# Allegro board LAY-28163.brd (continued)
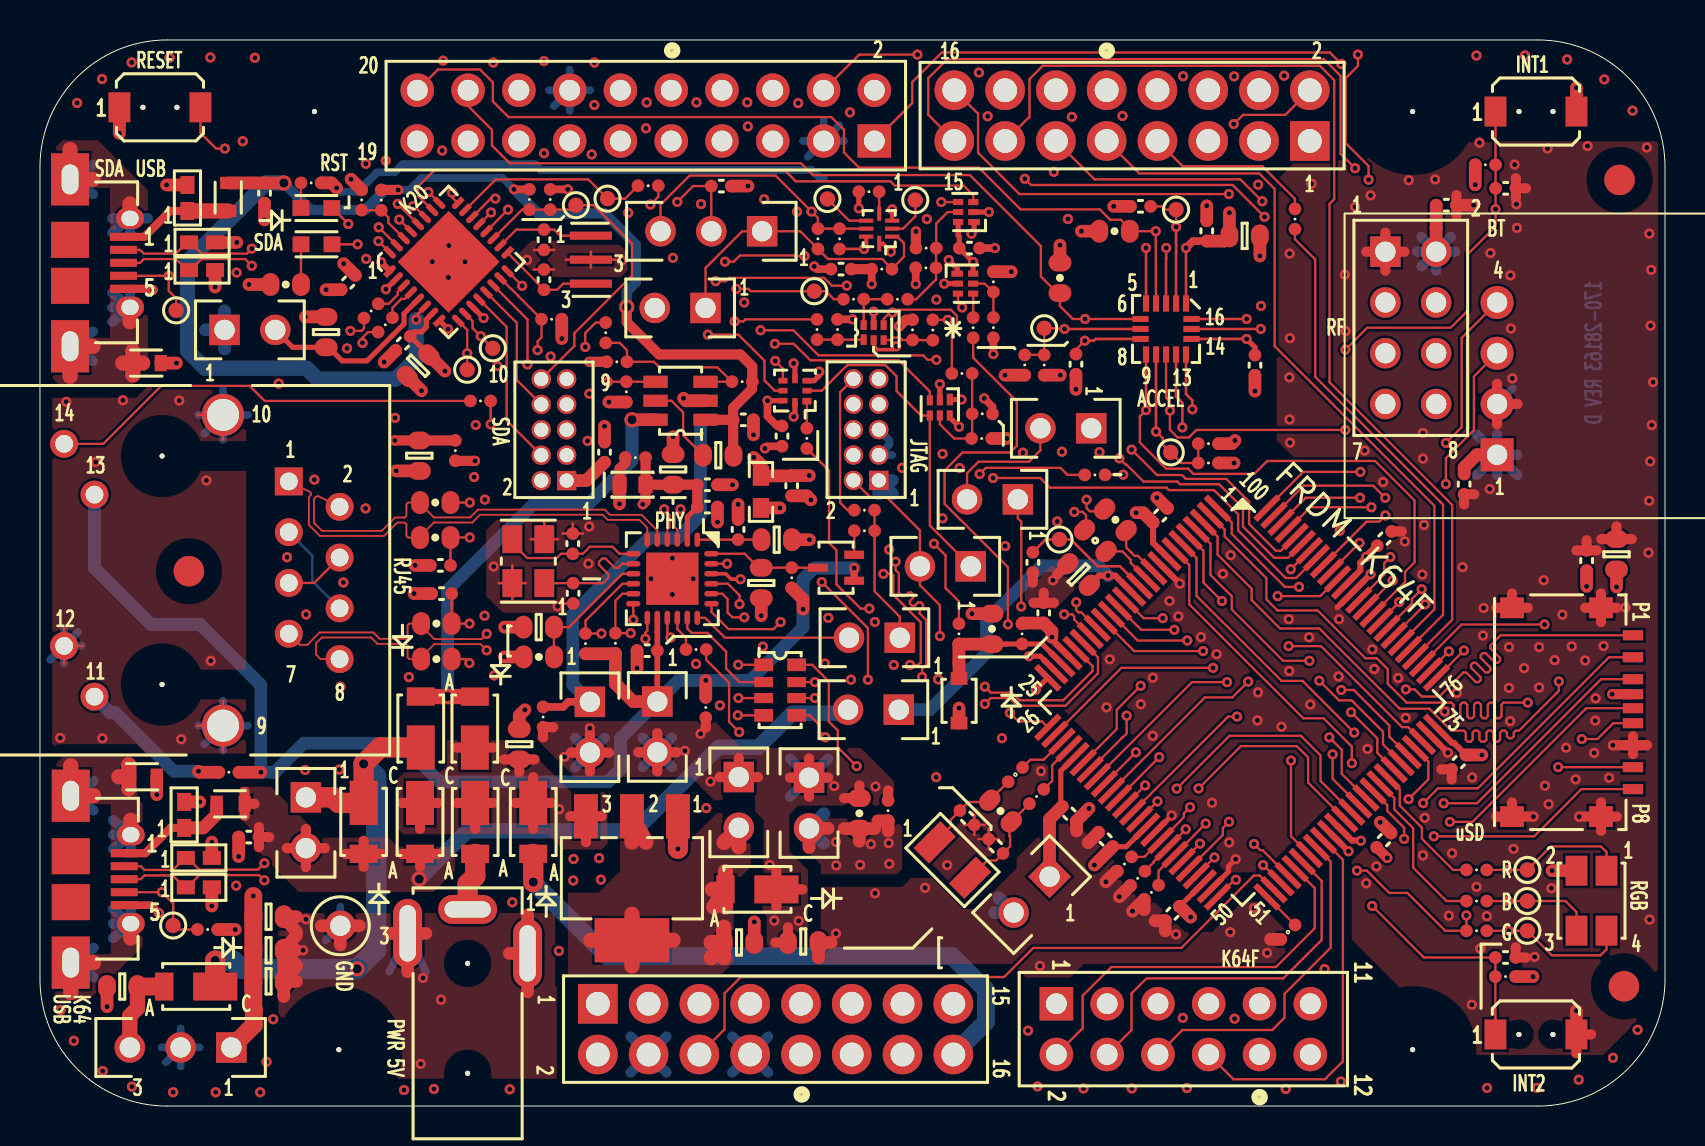
[diagram p0: board, top side]
## Copper pours and planes (outline as drawn; the poured copper is in the pictures) (continued)
GND on TOP: 69.68,2.55 69.68,4.25 65.61,8.32 65.61,12.27 69.68,16.33 69.68,20.94 68.77,21.85 68.77,23.74 69.68,24.65 69.68,25.49 61.85,33.32 61.85,46.31 63.76,48.21 72.84,48.21 72.89,48.26 72.89,48.28 80.89,48.28 80.91,48.17 80.93,48.05 80.93,28.35 80.92,28.33 80.92,5.28 78.19,2.55 ; 5 cut-outs
GND on TOP: 24.02,42.72 24.02,42.73 24.59,43.3 25.75,43.3 25.96,43.09 28.99,43.09 29.4,42.68 29.4,41.82 29.06,41.48 24.9,41.48 23.97,42.41 23.97,42.67
GND on TOP: 59.33,11.69 51.23,19.79 51.23,20.8 51.25,20.8 59.44,28.99 60.98,28.99 69.23,20.74 69.23,19.8 61.12,11.69 ; 3 cut-outs
GND on TOP: 39.43,11.41 44.63,11.41 46.21,9.84 46.23,9.86 46.8,9.86 48.85,11.91 48.85,12.42 50.56,14.13 51.84,14.13 56.6,9.37 56.6,9.37 57.22,8.75 57.22,8.72 58.63,8.72 60.13,10.22 60.89,10.22 62.3,8.82 62.3,7.61 61.83,7.14 54.84,7.14 54.81,7.11 52.22,7.11 51.53,6.42 49.34,6.42 48.66,7.11 38.91,7.11 38.67,7.35 38.67,10.66
GND on BOTTOM: 0.38,46.99 2.13,51.21 6.35,52.96 74.93,52.96 79.15,51.21 80.9,46.99 80.9,6.35 79.15,2.13 74.93,0.38 6.35,0.38 2.13,2.13 0.38,6.35 ; 4 cut-outs
GND on GND: 0.38,46.99 2.13,51.21 6.35,52.96 74.93,52.96 79.15,51.21 80.9,46.99 80.9,6.35 79.15,2.13 74.93,0.38 6.35,0.38 2.13,2.13 0.38,6.35
GND on INT_1: 4.44,0.56 4.13,0.67 3.83,0.8 0.8,3.83 0.76,3.91 0.76,49.03 4.34,52.61 7.28,52.61 7.28,36.68 9.1,34.86 9.1,14.8 7.83,13.53 7.83,9.3 11.29,5.84 15.09,5.84 17.53,3.4 17.53,1.55 16.54,0.56
GND on INT_1: 71.24,0.58 70.9,0.92 70.9,0.59 39.51,0.59 33.18,6.92 20.45,6.92 19.09,8.29 19.09,12.63 19.8,13.34 20.09,13.34 25.8,19.05 28.08,19.05 40.26,6.88 40.82,7.45 57.61,7.45 60.32,10.16 60.32,11.45 51.6,20.17 51.6,21.44 59.46,29.29 60.7,29.29 66.88,23.11 67.01,23.23 68.86,23.23 75.81,30.18 75.81,43.24 71.95,47.1 71.95,52.51 77.38,52.51 80.55,49.35 80.68,49.01 80.79,48.66 80.79,4.68 80.65,4.24 80.47,3.8 77.48,0.81 77.18,0.69 76.89,0.58 ; 10 cut-outs
GND on INT_1: 11.86,37.62 20.54,37.62 21.93,36.23 21.93,30.55 23.02,29.46 27.98,29.46 28.36,29.07 28.36,27.42 25.77,24.83 22.82,24.83 22.74,24.9 21.79,24.9 21.01,24.13 21.01,19.98 21.03,19.96 21.03,19.73 16.91,15.61 12.46,15.61 11.55,16.53 11.55,37.31
P3V3 on TOP: 36.54,7.89 36.34,8.08 36.34,9.47 36.13,9.69 36.13,14.37 35.77,14.73 35.77,15.15 33.87,15.15 32.56,16.46 26.73,16.46 24.85,18.35 24.85,19.12 24.99,19.26 33.73,19.26 35.09,17.9 39.71,17.9 39.73,17.93 41.03,17.93 42.73,16.23 42.73,15.47 42.29,15.03 37.92,15.03 37.49,14.59 37.49,12.74 38.41,11.81 38.41,8.67 37.63,7.89
P3V3 on BOTTOM: 25.81,1.39 17.26,9.95 17.26,16.96 20.71,20.41 20.71,25.56 25.58,30.43 35.63,30.43 35.7,30.5 37.12,30.5 38.44,29.18 38.44,26.04 37.53,25.14 37.53,23.17 35.18,20.82 35.15,20.82 35.15,18.26 35.69,17.72 37.63,17.72 38.94,19.03 40.58,19.03 42.8,16.81 42.8,15.83 42.64,15.67 38.1,15.67 37.5,15.06 37.5,11.35 38.59,10.26 69.72,10.26 74.45,14.99 74.45,25.23 66.64,33.04 59.19,33.04 57.28,34.95 51.25,34.95 50.7,35.5 50.7,44.84 50.94,45.09 62.49,45.09 63.22,44.35 69.25,44.35 71.56,46.67 72.2,46.67 72.76,46.11 72.76,44.38 70.25,41.87 70.25,37.05 74.54,32.76 74.54,31.1 77.3,28.34 78.96,28.34 79.78,27.52 79.78,10.31 75.14,5.67 72.31,5.67 71.06,6.92 66.61,6.92 65.35,5.67 52.85,5.67 48.58,1.39
P3V3_K64F on TOP: 38.09,14.61 42.48,14.61 43.13,13.96 43.13,11.86 42.86,11.6 38.91,11.6 37.63,12.88 37.63,14.15
P3V3_K64F on BOTTOM: 38.13,12.18 38.13,13.9 39.26,15.03 44.93,15.03 46.94,17.04 46.94,22.2 46.48,22.66 46.48,26.63 43.08,30.03 42.05,30.03 41.63,30.44 41.63,31.38 42.09,31.83 53.28,31.83 56.56,28.56 65.63,28.56 72.6,21.59 72.6,17.01 67.6,12.02 60.96,12.02 58.03,9.09 46.96,9.09 44.73,11.32 38.99,11.32
P3V3_SDA on BOTTOM: 25.97,31 20.65,36.32 19.96,36.32 16.6,39.67 15.29,39.67 13.01,37.4 8.35,37.4 7.65,38.11 7.65,39.78 11.01,43.14 20.47,43.14 22.43,41.19 30.25,41.19 30.25,41.07 29.93,40.76 29.93,40.68 30.01,40.56 30.15,40.59 30.6,40.81 31.11,40.74 32.4,40.74 32.4,40.82 33.36,40.82 33.47,40.89 33.47,41.01 33.49,41.12 33.41,41.19 40.36,41.19 41.76,42.59 41.76,43.51 40.64,44.63 40.64,45.69 40.94,45.98 46.6,45.98 47.5,45.09 47.5,43.01 47.45,42.96 46.37,42.96 46.01,42.6 46.01,40.92 48.11,38.82 48.11,35.84 47.32,35.05 45.96,35.05 45.48,35.52 45.48,37.32 43.95,38.85 39.05,38.85 37.09,36.89 37.09,35.41 35.02,33.35 30.14,33.35 30.09,33.4 27.69,31
P3V3_VREG on TOP: 29.15,13.43 32.63,13.43 33.86,14.66 34.95,14.66 35.56,14.05 35.56,11.97 34.7,11.11 34.7,7.21 34.1,6.6 26.4,6.6 26.4,10.68 27.93,10.68 29.02,11.77 29.02,13.29
P5V_K64_USB on TOP: 9.99,15.98 11.55,15.98 14.1,13.43 20.15,13.43 20.76,12.82 20.76,11.79 19.69,10.71 12.94,10.71 10.6,13.05 10.6,13.8 9.99,14.41
P5-9V_VIN_VR on TOP: 20.35,18.3 23.99,18.3 26.56,15.73 28.19,15.73 28.39,15.53 28.39,13.12 28.1,12.83 26.17,12.83 25.41,13.6 18.16,13.6 17.85,13.9 17.85,16.34 18.22,16.7 20.02,16.7 20.35,17.03
SDA_USBSHIELD on TOP: 1.13,48.32 2.9,48.32 5.4,45.82 5.4,36.93 4.55,36.07 0.96,36.07 0.47,36.57 0.47,47.66 ; 1 cut-out
SDA_USBSHIELD on BOTTOM: 0.62,47.41 3.53,47.41 3.55,47.38 3.64,47.38 5.69,45.33 5.69,43.24 4.78,42.32 4.78,36.7 4.42,36.35 1.23,36.35 0.47,37.11 0.47,47.26 0.63,47.42
SHIELD_K64USB on TOP: 1.15,17.47 4.56,17.47 4.86,17.17 4.86,15.4 5.13,15.13 5.13,7.99 2.42,5.27 1.03,5.27 0.33,5.97 0.33,16.65 ; 1 cut-out
SHIELD_K64USB on BOTTOM: 0.86,17.17 4.41,17.17 4.94,16.64 4.94,8.08 2.94,6.08 1.05,6.08 0.42,6.71 0.42,16.75 0.84,17.17
V_TGTMCU on BOTTOM: 39.74,42.22 41.23,42.22 41.5,42.49 41.5,43.1 40.11,44.49 40.11,45.65 40.63,46.17 46.88,46.17 48,45.05 48,43.88 46.4,42.28 46.4,40.6 48.56,38.44 48.56,35.57 47.4,34.42 45.77,34.42 44.53,35.65 44.53,36.76 43.26,38.04 39.15,38.04 37.72,36.61 37.72,34.89 37.57,35.04 35.32,32.79 35.3,32.79 35.3,32.26 35.5,32.05 35.5,31.15 38.69,31.15 39.77,32.22 39.79,32.22 39.99,32.43 39.99,36.55 40.47,37.02 42.3,37.02 42.97,36.35 42.97,33.98 43.88,33.08 48.37,33.08 50.04,34.75 50.04,45.63 48.54,47.13 39.66,47.13 38.84,46.31 38.84,43.07 39.72,42.2 39.74,42.22

## Text on the board
BOTTOM: 170-28163 REV D | 7 OF 10 | SECONDARY SIDE
Board Geometry/Soldermask Bottom: 8 OF 10 | SECONDARY SOLDERMASK
Ref Des/Silkscreen Bottom: 5V EXT GEN | P3V3_SDA | GND | JACK | 5V PWR | MCU | SDA RST | SW1 | RESET | C22 | C19 | C24 | SDA | R42 | R13 | R12 | R19 | R14 | R4 | RMII0_INT | VREGIN_K64 | C8 | R18 | PTA3 | PTA0 | SWD_CLK_TGTMCU | BLUETOOTH | VBAT | RMII PHY RJ45 | P5V_USB | R38 | C17 | VDDIO_ENET | C21 | P3V3_REG | P3V3_K64 | R28 | R27 | JTAG | R10 | R11 | RF MODULE | SCK | MISO | CE | CS | IRQ | MOSI | 3V3 | TX | RX | NC | ADC1 | E24 | ADC0 | [PT] | J2 | A0 | E26 | C5 | C3 | VIN | B2 | DP1 | J1 | B18 | C16 | C10 | _OUT | DAC0 | OpenSDA | K64F | USB | ADC1_SE18 | E25 | AREF | DM0 | D1 | DP0 | D3 | D2 | D0 | C4 | J3 | P3V3 | RST | 5V | C7 | C2 | C0 | A2 | C9 | B23 | DM1 | B3 | A1 | B10 | C1 | B9 | B11 | B19 | B20 | C11 | J4 | SCH | 700 | 9 OF 10 | SECONDARY SILKSCREEN | FRDM-K64F
User.Comments: 1 OF 1 | TEST PROBE | 1/1 | 1
TOP: 4 OF 10 | PRIMARY SIDE
Board Geometry/Soldermask Top: 3 OF 10 | PRIMARY SOLDERMASK
Ref Des/Silkscreen Top: SDA | USB | RESET | RST | PHY | ACCEL | K64F | RF | uSD | BT | G | R | B | INT2 | INT1 | K20 | K64 | GND | PWR 5V | RJ45 | JTAG | RGB | 2 OF 10 | PRIMARY SILKSCREEN | FRDM-K64F
GND: 5 OF 10 | GROUND PLANE
INT_1: 6 OF 10 | INTERNAL 1
XSECTION_CHART: *  SURFACE - AIR 0 MIL | *  DIELECTRIC - DRY_FILM_MASK 1 MIL | L1: TOP CONDUCTOR - 1OZ_COPPER 1.44 MIL | *  DIELECTRIC - FR-4 3 MIL | L2: GND PLANE - COPPER 1.2 MIL | *  DIELECTRIC - FR-4 4 MIL | L3: INT_1 CONDUCTOR - COPPER 1.2 MIL | *  DIELECTRIC - FR-4 49 MIL | L4: BOTTOM CONDUCTOR - COPPER_1OZ 1.44 MIL | DESIGN CROSS SECTION CHART | ___________________________ | TOTAL THICKNESS 63.28 MIL | 1-4
DIMENSION: 23. COPPER PADS FOR J4 AND J22 CAN BE SHAVED TO ALLOW .010" CLEARANCE FROM BOARD EDGE. | 22. . | INTENTIONAL SHORT IN J11 BETWEEN NETS PTA0 AND SWD_CLK_TGTMCU | 5 INTENTIONAL DANGLING VIAS IN U8 AREA. | INTENTIONAL SHORT IN J19 BETWEEN P3V3 AND P3V3_REG | INTENTIONAL SHORT IN J16 BETWEEN VREGIN_K64 AND P5V_K64_USB | INTENTIONAL SHORT IN J8 BETWEEN SWD_DIO_TGTMCU_BUF AND PTA3 | INTENTIONAL SHORT IN J5 BETWEEN NETS SDA_RST_TGTMCU_B AND SDA_RST_TGTMCU_J_B | INTENTIONAL SHORT IN J7 BETWEEN NETS P3V3_SDA AND SDA_VOUT33 | INTENTIONAL SHORT IN SH1 BETWEEN NETS P3V3 AND V_TGTMCU | INTENTIONAL SHORT IN J12 SWD_CLK_TGTMCU_BUF AND SWD_CLK_TGTMCU | INTENTIONAL SHORT IN J23 BETWEEN P3V3_K64F AND VBAT | 16 | 17 | 8 | GRID ORIGIN | PRIMARY DATUM
DISPLAY_TOP: 1 OF 10 | PASTEMASK TOP
User.5: 10 OF 10 | SECONDARY PASTEMASK
User.14: 01-23-14 | 02-06-14 | 02-26-14 | R.D.R. | B | C | D | RE-SPIN PER ECO48566 | ADD SWO TRACE | RE-SPIN PER ECO49325
User.20: FIGURE | SIZE | 10.0 | 18.0 | 28.0 | 35.0 | 40.0 | 41.0 | 47.0 | 63.0 | 125.0 | 128.0 | 34.0x30.0 | 59.0x33.0 | 91.0x32.0 | 111.0x32.0 | DRILL CHART: TOP to BOTTOM | ALL UNITS ARE IN MILS | TOLERANCE | +0.0/-10.0 | +2.0/-2.0 | +3.0/-3.0 | PLATED | NON-PLATED | QTY | 635 | 9 | 20 | 12 | 4 | 41 | 32 | 2 | 6 | 1
